# Altium PCB WS485H-V2.PcbDoc (part 1 of 2)
Units mm, origin at the board's own origin, x right, y up, seen from the top; angles counter-clockwise.
Board outline 80.13 x 50.13 mm, 2 copper layers (TopLayer, BottomLayer); 99 components, 75 nets, 330 pads, 447 vias.
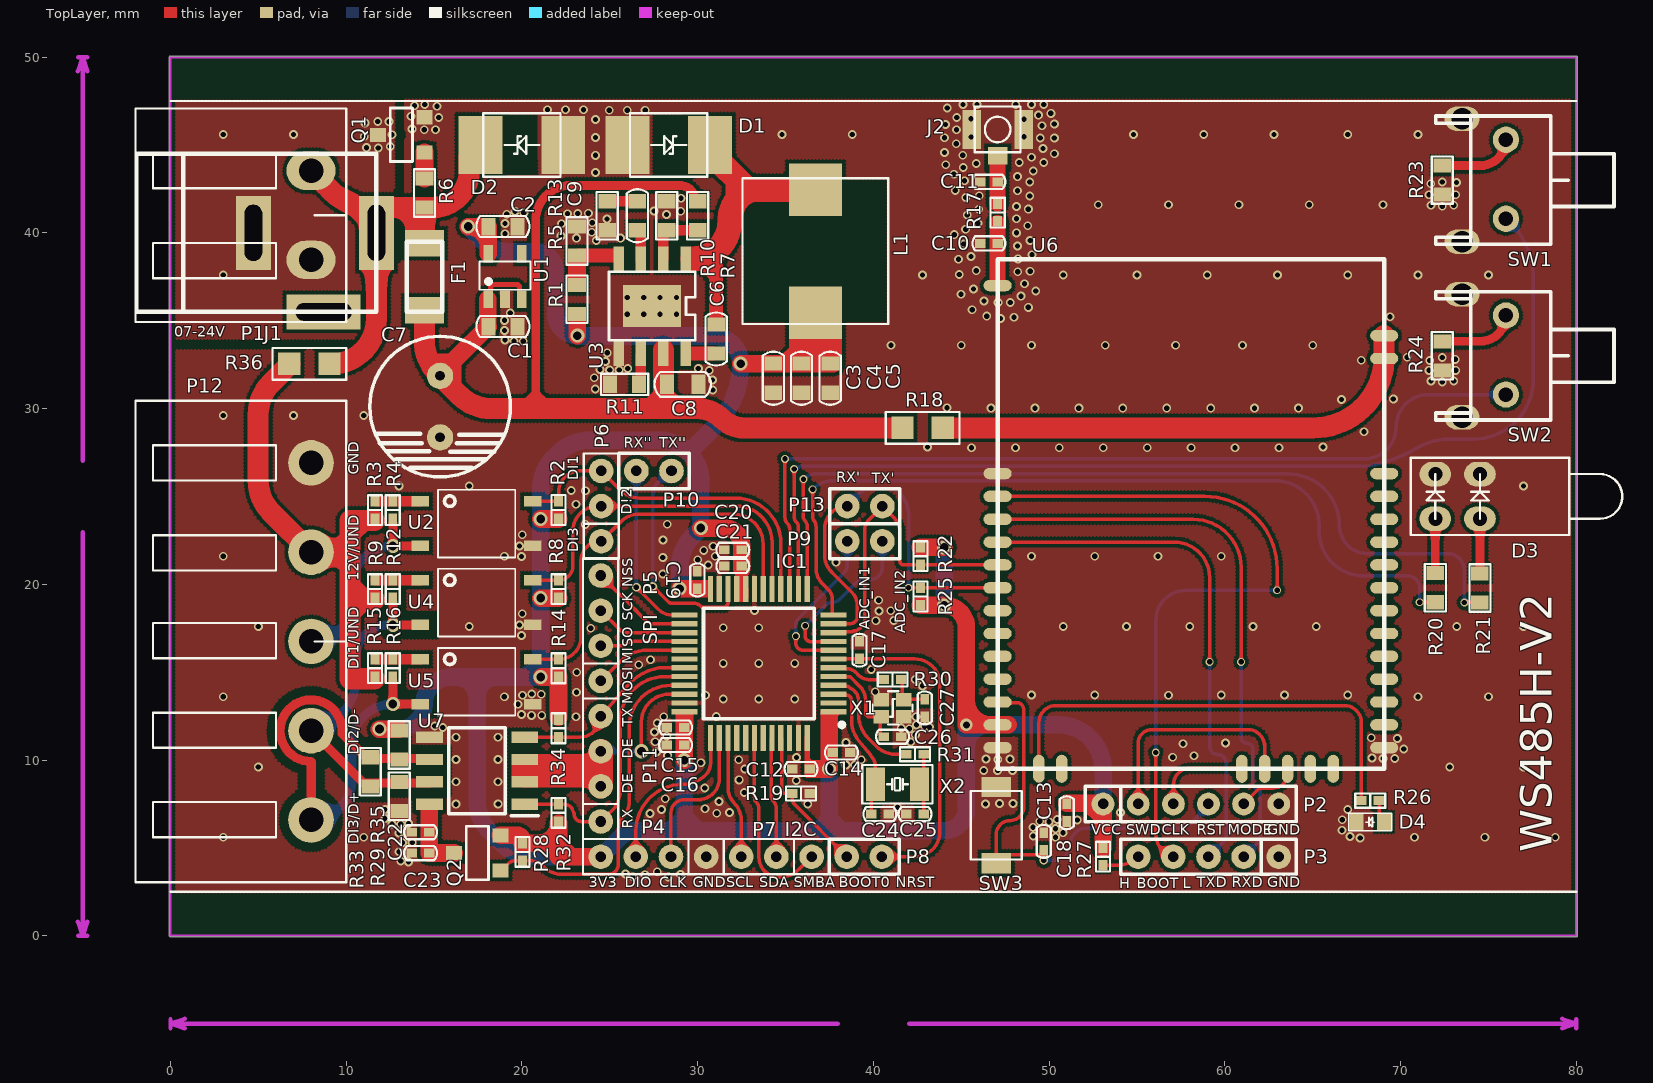
[diagram p0: TopLayer view]
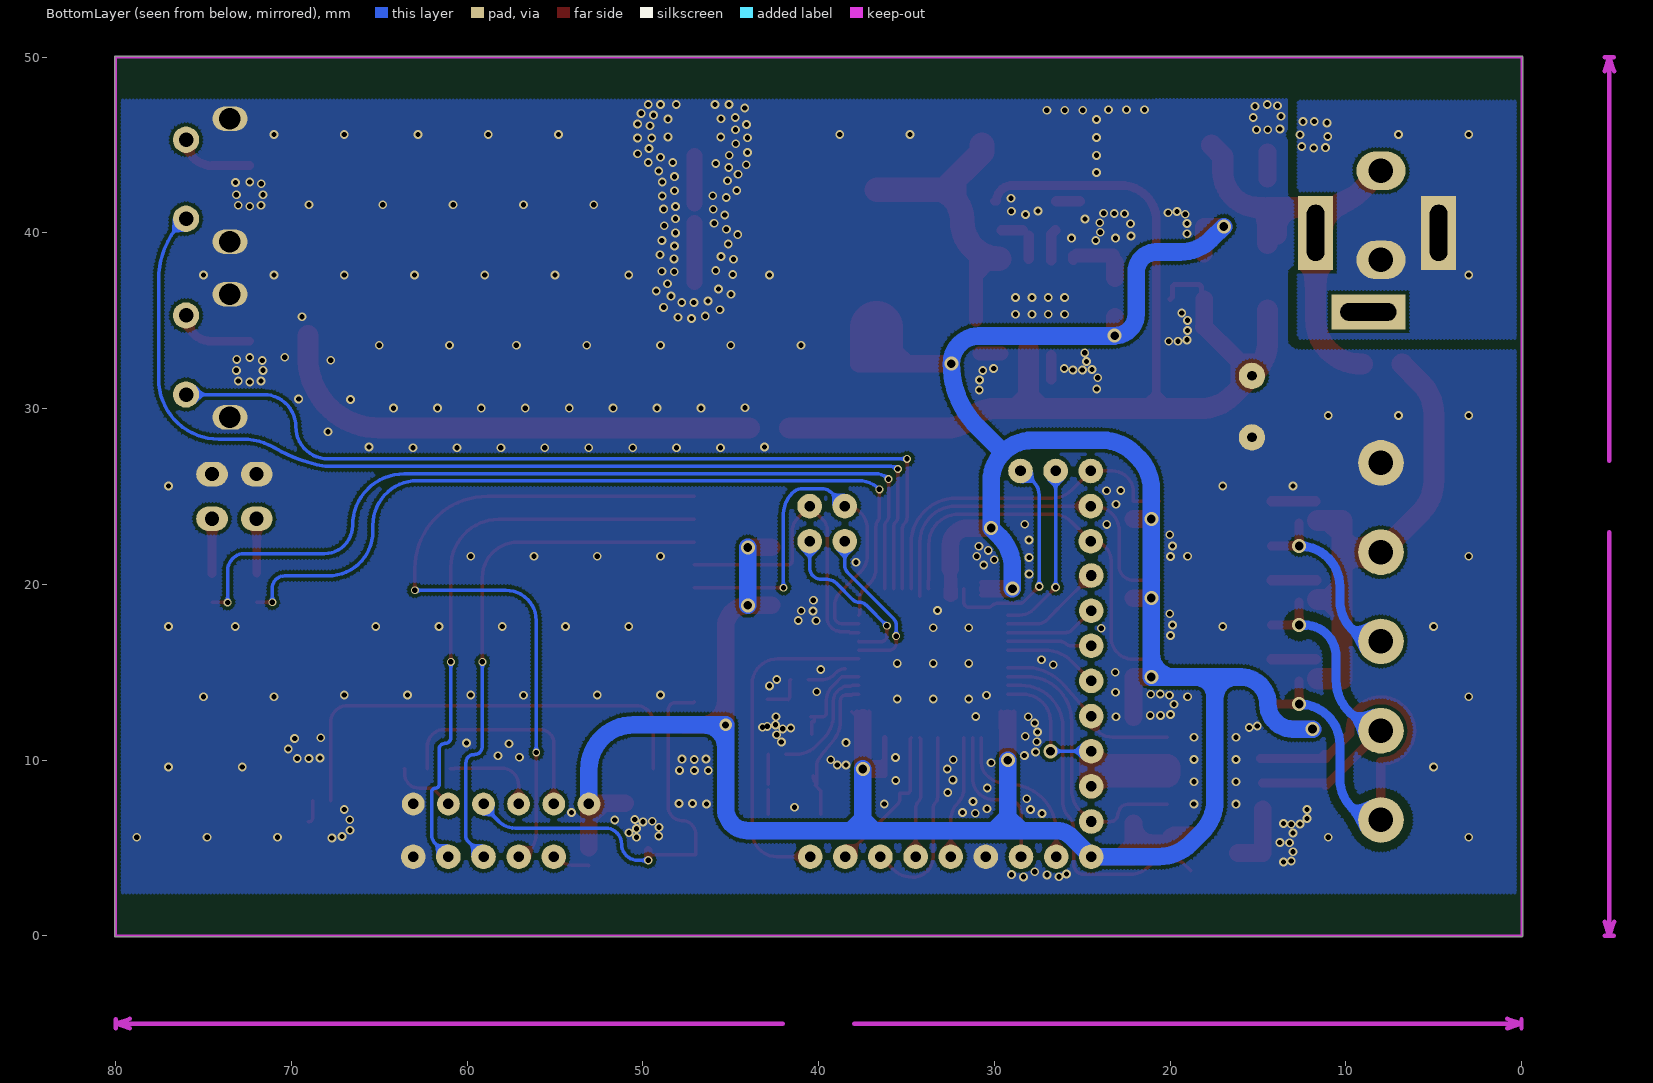
[diagram p1: BottomLayer view, seen from below]

## Layer stack, top to bottom
TopSolder: solder mask 0.0102, Solder Resist, Dk 3.5
TopLayer: signal copper 0.0356
Dielectric1: core 0.32, FR-4, Dk 4.8
BottomLayer: signal copper 0.0356
BottomSolder: solder mask 0.0102, Solder Resist, Dk 3.5

## Board outline
0,-0.064 cw(c0,0) -0.064,0 -0.064,50 cw(c0,50) 0,50.064 80,50.064 cw(c80,50) 80.064,50 80.064,0 cw(c80,0) 80,-0.064

## Design rules (kind name [scope] priority, off if disabled: settings)
Clearance Clearance_3 [InNet('GND') vs InNet('PGND')] p1: gap=0.5 ignorepadtopadclearanceinfootprint=FALSE except(0.2: Arc-Text Arc-Hole Track-Text Track-Hole SMDPad-Text SMDPad-Hole THPad-Text THPad-Hole Via-Text Via-Hole Fill-Text Fill-Hole Poly-Text Poly-Hole Region-Text Region-Hole Text-Text Text-Hole)
Clearance Clearance_2 [(InNet('D+')) vs (InNet('GND'))] p2: gap=0.5 ignorepadtopadclearanceinfootprint=FALSE except(0: Arc-Hole Track-Hole SMDPad-Hole THPad-Hole Via-Hole Fill-Hole Poly-Hole Region-Hole Text-Hole)
Clearance Clearance_1 [(InNet('D-')) vs (InNet('GND'))] p3: gap=0.5 ignorepadtopadclearanceinfootprint=FALSE except(0: Arc-Hole Track-Hole SMDPad-Hole THPad-Hole Via-Hole Fill-Hole Poly-Hole Region-Hole Text-Hole)
Clearance [All] p4: gap=0.2 ignorepadtopadclearanceinfootprint=FALSE except(0: Arc-Hole Track-Hole SMDPad-Hole THPad-Hole Via-Hole Fill-Hole Poly-Hole Region-Hole Text-Hole)
ComponentClearance [All] p1 off: gap=0.254 collisioncheckmode=3 verticalgap=0.254 showdistances=FALSE
DiffPairsRouting [(InNet('D+') AND InNet('D-'))] p1: maxlimit=0.152 minlimit=0.152 mostfreqgap=0.152 toplayer_minwidth=0.381 toplayer_maxwidth=0.381 toplayer_prefwidth=0.381 bottomlayer_minwidth=0.381 bottomlayer_maxwidth=0.381 bottomlayer_prefwidth=0.381 maxuncoupledlength=12.7
FabricationTestPointUsage TestPointUsage [All] p1: valid=0 allowmultiple=FALSE
FabricationTestpoint Testpoint [(IsPad And (OnTopLayer Or OnBottomLayer))] p1: side=3 testpointundercomponent=TRUE minsize=1.016 maxsize=2.54 preferedsize=1.524 minholesize=0.508 maxholesize=1.016 preferedholesize=0.813 testpointgrid=0.025 allowsidetop=TRUE allowsidebottom=TRUE usegrid=TRUE gridtolerance=0
HoleSize [All] p1: absolutevalues=TRUE maxlimit=5.5 minlimit=0.025 maxpercent=80.000 minpercent=20.000
HoleToHoleClearance [All] p1 off: gap=0.254 allowstackedmicrovias=TRUE
MinimumSolderMaskSliver [All] p1 off: minsoldermaskwidth=0.254
PolygonConnect [All] p1: connectstyle=Direct reliefconductorwidth=0.6 reliefentries=4 polygonreliefangle="90 Angle" airgapwidth=0.254
RoutingVias [All] p1: holewidth=0.4 width=0.7 viastyle="Through Hole" minholewidth=0.3 minwidth=0.5 maxholewidth=0.8 maxwidth=0.8
SilkToSilkClearance [All] p1 off: silktosilkclearance=0.254
SilkToSolderMaskClearance SilkscreenOverComponentPads [IsPad] p1 off: minsilkscreentomaskgap=0.254 clearancetoexposedcopper=TRUE
SolderMaskExpansion [All] p1: expansion=0.102 istentingtop=FALSE
Width Width_1 [(InNet('D+') AND InNet('D-'))] p1: maxlimit=0.261 minlimit=0.261 preferedwidth=0.261
Width [All] p2: maxlimit=5 minlimit=0.2 preferedwidth=0.8
21 further rules are at their usual default settings.

## Classes and differential pairs
component class WS485H-V2-BlockDiagram: *1 *2 *3 *4 *5 *6 *7 *8 *9 *10 *11 *12

## Components (designator, comment, footprint, x,y, rotation, side; value= is the part's Value field where it differs from the comment)
C1 "1uF" 0603C 18.915,34.667 r180 top
C2 "1uF" 0603C 18.915,40.358 r180 top
C3 "22uF/10V" 0603C 34.31,31.728 r90 top
C4 "1uF" 0603C 35.91,31.728 r90 top
C5 "0.1uF" 0603C 37.54,31.728 r90 top
C6 "0.1uF" 0603C 31.053,33.959 r90 top
C7 "100uF/25V" "DIP CAP-8*3.5" 15.34,31.86 r270 top
C8 "10uF/25V" 0805C 29.15,31.378 r180 top
C9 "150pF" 0603C 26.569,40.973 r270 top
C10 "0.1uF/NC" 0402C 46.57,39.402 r0 top
C11 "0.1uF/NC" 0402C 46.57,42.902 r0 top
C12 "0.1uF" 0402C 35.882,9.49 r0 top
C13 "0.1uF" 0402C 51.005,7 r90 top
C14 "0.1uF" 0402C 38.181,10.43 r180 top
C15 "0.1uF" 0402C 28.744,11.85 r180 top
C16 "4.7uf" 0402C 28.744,10.85 r180 top
C17 "0.1uF" 0402C 39.212,16.25 r90 top
C18 "0.1uF" 0402C 49.695,5.369 r90 top
C19 "0.1uF" 0402C 29.982,20.248 r270 top
C20 "1uF" 0402C 32,21.96 r180 top
C21 "10nf" 0402C 32,21.04 r180 top
C22 "0.1uF" 0402C 14.232,5.89 r0 top
C23 "0.1uF" 0402C 14.232,4.7 r0 top
C24 "10pF" 0402C 40.37,6.92 r0 top
C25 "10pF" 0402C 42.37,6.92 r180 top
C26 "8.2pF" 0402C 41.092,11.326 r0 top
C27 "8.2pF" 0402C 42.92,12.965 r270 top
D1 "SS34" SMBJ40CA(TVS) 28.35,45.001 r0 top
D2 "SMBJ24A 600W" SMBJ40CA(TVS) 20,45 r180 top
D3 "LED-TWO" LEDX2HOLD 73.25,25 r270 top
D4 "Green_LED" LED0603--0.4mm 68.275,6.474 r180 top
F1 "FUSE 1206 24V-1A" 1206-FUSE 14.455,37.5 r0 top
IC1 "STM32G431C8T6" QFP50P900X900X160-48N 33.482,15.5 r180 top
J1 "DC JACK-2.5T" "DC JACK-2.5T-NEW" 4.713,40 r270 top
J2 "I-PEX-CON" I-PEX-CON 47.07,44.384 r270 top
L1 "15uH" L8.3x8.3 36.7,38.957 r270 top
P1 "CON2-5.08mm" OQ5.08-90D-2P 8,41 r270 top
P2 "6PIN-200" 6PIN-200 53.07,7.5 r0 top locked
P3 "5Pin-200" 5pin-200 63.07,4.5 r180 top
P4 "4PIN-200" 4PIN-200 30.482,4.5 r180 top value=MicroUSB
P5 "4PIN-200" 4PIN-200 24.482,14.5 r90 top value=MicroUSB
P6 "PIN3" 3PIN-200 24.512,22.45 r90 top
P7 "PIN3" 3PIN-200 36.482,4.5 r180 top
P8 "2PIN-200/NC" 2PIN-200 38.482,4.5 r0 top
P9 "2PIN-200" 2PIN-200 38.512,22.45 r0 top
P10 "2PIN-200" 2PIN-200 26.512,26.45 r0 top
P11 "4PIN-200" 4PIN-200 24.482,6.5 r90 top value=MicroUSB
P12 "HD-515R8 5.08 pitch工業接線端子" OQ5.08-90D-5P 8,16.75 r270 top
P13 "2PIN-200" 2PIN-200 40.512,24.45 r180 top
Q1 "Si2306DS" SOT-23 13.134,45.58 r90 top value=2SK3664
Q2 "SM2403PSANC-TRG" SOT-23 17.46,4.71 r90 top
R1 "120K 1%" 0603 23.134,36.215 r270 top
R2 "10K" 0402 22.082,24.225 r270 top
R3 "1K" 0402 11.635,24.222 r90 top
R4 "10K" 0402 12.651,24.222 r90 top
R5 "40.2K 1%" 0603 23.134,39.541 r270 top
R6 "10K" 0603 14.455,42.265 r270 top value=1K
R7 "100K" 0603 30,40.973 r90 top
R8 "10K" 0402 22.082,19.725 r270 top
R9 "1K" 0402 11.635,19.725 r90 top
R10 "24.9K" 0603 28.239,40.973 r270 top
R11 "100K" 0603 25.845,31.378 r0 top
R12 "10K" 0402 12.651,19.725 r90 top
R13 "100K" 0603 24.85,40.973 r90 top
R14 "10K" 0402 22.082,15.225 r270 top
R15 "1K" 0402 11.635,15.226 r90 top
R16 "10K" 0402 12.651,15.226 r90 top
R17 "0R" 0402 47.07,41.152 r90 top
R18 "0R" 0805 42.8,28.9 r0 top value=0R/NC
R19 "10K" 0402 35.882,8.1 r180 top
R20 "220R" 0603 71.98,19.805 r270 top
R21 "220R" 0603 74.52,19.79 r270 top
R22 "10K" 0402 42.683,21.602 r90 top
R23 "220R" 0603 72.375,43 r270 top
R24 "220R" 0603 72.375,33 r270 top
R25 "10K" 0402 42.683,19.302 r270 top
R26 "220R" 0402 68.275,7.689 r180 top
R27 "1K" 0402 53.07,4.5 r270 top
R28 "100K" 0402 20.03,4.77 r90 top
R29 "3.3K" 0603 13.02,7.935 r90 top
R30 "390R" 0402 41.092,14.579 r0 top
R31 "0R" 0402 42.37,10.324 r0 top
R32 "10K" 0402 22.082,6.995 r270 top
R33 "120R/NC" 0603 11.366,9.33 r90 top
R34 "10K" 0402 22.082,11.805 r90 top
R35 "3.3K" 0603 13.02,10.856 r90 top
R36 "0R" 0805 7.907,32.542 r180 top value=0R/NC
SW1 "DTSM63N" SW-AT-1102VT1-new 74.75,43 r90 top
SW2 "DTSM63N" SW-AT-1102VT1-new 74.75,33 r90 top
SW3 "Push  Button" Button_2pin-3*4*2MM 46.995,6.294 r270 top value=Switch-SMD-6x6mm
U1 "XC6223T331MR-G" SOT-23-5-0.95MM 19.04,37.567 r0 top
U2 "IS181" IS181-SMD 17.416,23.455 r0 top
U3 "MP1584EN-LF-Z" SOIC8E_MP1584EN 27.404,35.834 r180 top
U4 "IS181" IS181-SMD 17.416,18.955 r0 top
U5 "IS181" IS181-SMD 17.416,14.455 r0 top
U6 "WS101A" WS101A 58.07,24.002 r0 top locked
U7 "MAX3485" SOIC127P600X175-8N 17.445,9.395 r180 top
X1 "16MHz / 8pF" XTAL-SMD-20X16 41.132,12.965 r0 top
X2 "32.768KHz / 12pF" XTAL-SMD-32*15 41.37,8.62 r0 top

## Footprints (in the part's own frame and the unit in brackets; to place one, negate y for a bottom-side part, rotate by r counter-clockwise, add the part's x,y. Pads: shape width x height; smd on the part's side, far side on the other; paste and mask are expansions set on the pad)
2PIN-200 [mm] "Connector; Header; 2 Position"
  round 1.4 hole 0.6: 1(0,0) 2(2,0)
  silkscreen extent -1,-1 3,1
3PIN-200 [mm]
  round 1.4 hole 0.6: 1(0,0) 2(2,0) 3(4,0)
  silkscreen extent -1,-1 5,1
4PIN-200 [mm]
  round 1.4 hole 0.6: 1(0,0) 2(2,0) 3(4,0) 4(6,0)
  silkscreen extent -1,-1 7,1
5pin-200 [mm]
  round 1.4 hole 0.6: 1(0,0) 2(2,0) 3(4,0) 4(6,0) 5(8,0)
  silkscreen extent -1,-1 9,1
6PIN-200 [mm]
  round 1.3 hole 0.6: 1(0,0) 2(2,0) 3(4,0) 4(6,0) 5(8,0) 6(10,0)
  silkscreen extent -1,-1 11,1
0402 [mm]
  rect 0.6x0.5 smd: 1(-0.5,0) 2(0.5,0)
  silkscreen extent -0.85,-0.4 0.85,0.4
0402C [mm]
  rect 0.6x0.5 smd: 1(-0.5,0) 2(0.5,0)
  silkscreen extent -0.94,-0.4 0.94,0.4
0603 [mm]
  rect 0.8x1 smd: 1(-0.826,0) 2(0.826,0)
  silkscreen extent -1.35,-0.6 1.35,0.6
0603C [mm]
  rect 0.8x1 smd: 1(-0.826,0) 2(0.826,0)
  silkscreen extent -1.51,-0.6 1.51,0.6
0805 [mil]
  rect 50x50 smd: 1(-45,0) 2(45,0)
  silkscreen extent -82,-35 83,35
0805C [mm] "0805C"
  rect 0.8x1.1 smd: 1(-0.9,0) 2(0.9,0)
  silkscreen extent -1.61,-0.7 1.61,0.7
1206-FUSE [mm] "1206-FUSE"
  rect 2.2x1.5 smd: 1(0,1.905) 2(0,-1.905)
  silkscreen extent -1,-2 1,2
Button_2pin-3*4*2MM [mm] "Button_2pin-3*4*2MM"
  rect 1.15x1.7 smd: 1(2.175,0) 2(-2.175,0)
  silkscreen extent -1.95,-1.45 1.95,1.45
"DC JACK-2.5T-NEW" [mm] "DC JACK-2.5T-NEW"
  rect 4.2x2 hole 1 slot 3.2 at 0 deg: 1(0,7) 2(0,0)
  rect 2x4.2 hole 1 slot 3.2 at 90 deg: 3(4.498,4.001)
  silkscreen extent -4.5,-6.65 4.5,7
"DIP CAP-8*3.5" [mm]
  round 1.5 hole 0.55: 1(0,0) 2(3.5,0)
  silkscreen extent -2.25,-4 5.75,4
I-PEX-CON [mm]
  rect 1x1.1 smd: 1(0,0)
  rect 2.2x1.05 smd: 2(-1.5,1.475) 2(-1.5,-1.475)
  silkscreen extent -2.8,-1.3 -0.2,1.3
IS181-SMD [mm] "IS181-SMD"
  rect 1x0.6 smd: 1(-3.2,1.27) 2(-3.2,-1.27) 3(3.2,-1.27) 4(3.2,1.27)
  silkscreen extent -2.2,-1.93 2.2,1.93
L8.3x8.3 [mm]
  rect 3x3 smd: 1(-3.5,0) 2(3.5,0)
  silkscreen extent -4.15,-4.15 4.15,4.15
LED0603--0.4mm [mm] "LED0603--0.4mm"
  rect 0.8x0.9 smd: 1(-0.775,0) 2(0.775,0)
  silkscreen extent -1.23,-0.5 1.23,0.5
LEDX2HOLD [mm]
  oval 1.4x1.8 hole 0.8: 1(1.27,1.27) 2(-1.27,1.27) 3(1.27,-1.27) 4(-1.27,-1.27)
  silkscreen extent -2.2,-2.67 2.2,9.37
OQ5.08-90D-2P [mm]
  oval 2.2x2.8 hole 1.4: 1(-2.54,0) 2(2.54,0)
  silkscreen extent -6.08,-10 6.08,2
OQ5.08-90D-5P [mm]
  round 2.6 hole 1.4: 1(-10.16,0) 2(-5.08,0) 3(0,0) 4(5.08,0) 5(10.16,0)
  silkscreen extent -13.7,-10 13.7,2
QFP50P900X900X160-48N [mm]
  rect 1.475x0.3 smd: 1(-4.238,2.75) 2(-4.238,2.25) 3(-4.238,1.75) 4(-4.238,1.25) 5(-4.238,0.75) 6(-4.238,0.25) 7(-4.238,-0.25) 8(-4.238,-0.75) 9(-4.238,-1.25) 10(-4.238,-1.75) 11(-4.238,-2.25) 12(-4.238,-2.75) 25(4.238,-2.75) 26(4.238,-2.25) 27(4.238,-1.75) 28(4.238,-1.25) 29(4.238,-0.75) 30(4.238,-0.25) 31(4.238,0.25) 32(4.238,0.75) 33(4.238,1.25) 34(4.238,1.75) 35(4.238,2.25) 36(4.238,2.75)
  rect 0.3x1.475 smd: 13(-2.75,-4.238) 14(-2.25,-4.238) 15(-1.75,-4.238) 16(-1.25,-4.238) 17(-0.75,-4.238) 18(-0.25,-4.238) 19(0.25,-4.238) 20(0.75,-4.238) 21(1.25,-4.238) 22(1.75,-4.238) 23(2.25,-4.238) 24(2.75,-4.238) 37(2.75,4.238) 38(2.25,4.238) 39(1.75,4.238) 40(1.25,4.238) 41(0.75,4.238) 42(0.25,4.238) 43(-0.25,4.238) 44(-0.75,4.238) 45(-1.25,4.238) 46(-1.75,4.238) 47(-2.25,4.238) 48(-2.75,4.238)
  silkscreen extent -4.85,-3.15 3.15,3.62, body extent -4.5,-4.5 4.5,4.5, height 1.6
SMBJ40CA(TVS) [mm] "SMBJ40CA(TVS)"
  rect 2.5x3.3 smd: 1(-2.35,0) 2(2.35,0)
  silkscreen extent -2.2,-1.81 2.2,1.81
SOIC8E_MP1584EN [mm] "SOIC8E_MP1584EN"
  rect 3.3x2.41 smd: 0(0,0)
  rect 0.6x1.4 smd: 1(-1.905,-2.7) 2(-0.635,-2.7) 3(0.635,-2.7) 4(1.905,-2.7) 5(1.905,2.7) 6(0.635,2.7) 7(-0.635,2.7) 8(-1.905,2.7)
  silkscreen extent -2.45,-1.95 2.45,1.95
SOIC127P600X175-8N [mm]
  rect 1.525x0.65 smd: 1(-2.712,1.905) 2(-2.712,0.635) 3(-2.712,-0.635) 4(-2.712,-1.905) 5(2.712,-1.905) 6(2.712,-0.635) 7(2.712,0.635) 8(2.712,1.905)
  silkscreen extent -3.47,-2.45 1.6,2.58, body extent -3,-2.45 3,2.45, height 1.75
SOT-23 [mm] "SOT-23"
  rect 0.8x0.9 smd: 1(-1,-1.321) 2(1,-1.321) 3(0,1.321)
  silkscreen extent -1.52,-0.64 1.52,0.64
SOT-23-5-0.95MM [mm] "SOT-23-5-0.95MM"
  rect 0.55x1 smd: 1(-0.95,-1.35) 2(0,-1.35) 3(0.95,-1.35) 4(0.95,1.25) 5(-0.95,1.25)
  silkscreen extent -1.45,-0.8 1.45,0.8
SW-AT-1102VT1-new [mm] "SW-AT-1102VT1-new"
  oval 1.4x2 hole 1.227: 0(-3.5,1.25) 0(3.5,1.25)
  round 1.5 hole 0.827: 1(-2.2,-1.25) 2(2.3,-1.25)
  silkscreen extent -3.65,-7.4 3.7,2.75
WS101A [mm] "Vertexcom"
  oval 1.6x0.65 smd: 1(-11,13) 2(-11,2.3) 3(-11,1) 4(-11,-0.3) 5(-11,-1.6) 6(-11,-2.9) 7(-11,-4.2) 8(-11,-5.5) 9(-11,-6.8) 10(-11,-8.1) 11(-11,-9.4) 12(-11,-10.7) 13(-11,-12) 14(-11,-13.3) 22(11,-13.3) 23(11,-12) 24(11,-10.7) 25(11,-9.4) 26(11,-8.1) 27(11,-6.8) 28(11,-5.5) 29(11,-4.2) 30(11,-2.9) 31(11,-1.6) 32(11,-0.3) 33(11,1) 34(11,2.3) 35(11,8.85) 36(11,10.15)
  oval 0.65x1.6 smd: 15(-8.65,-14.5) 16(-7.35,-14.5) 17(2.9,-14.5) 18(4.2,-14.5) 19(5.5,-14.5) 20(6.8,-14.5) 21(8.1,-14.5)
  silkscreen extent -11,-14.5 11,14.5
XTAL-SMD-20X16 [mm] "XTAL-SMD-20X16"
  rect 0.875x0.775 smd: 1(-0.675,-0.5) 2(0.6,0.475) 3(0.6,-0.5) 4(-0.675,0.475)
  silkscreen extent -1.18,-0.95 1.1,0.95
XTAL-SMD-32*15 [mm]
  rect 1.1x1.9 smd: 1(-1.25,0) 2(1.25,0)
  silkscreen extent -2,-1.1 2,1.1

## Part data
C1 C2 C3 C4 C5 C6 C8 C9 C12 C14 C15 C16 C17 C18 C19 C20 C21 C23: library part "Cap Semi", "Capacitor (Semiconductor SIM Model)", LatestRevisionDate=17-Jul-2002, LatestRevisionNote="Re-released for DXP Platform.", PackageReference=C1206, Published=8-Jun-2000, Publisher="Altium Limited"
C7: library part "C POL", Package Height=1.8mm, Part Number=53300833000, Rating=10V, Tolerance=20%, Bottom=20, PCB_dir=0.000000, PCB_loc=Top, PCB_x=19.129500, PCB_y=12.184000, Right=20
C10 C11 C13 C22 C24 C25 C26 C27: library part CAP, "Capacitor"
D1: library part "DIODE SCHOTTKY", "Schottky Diode"
D2: library part PESD5V0L1BA, "Zener Diode"
D4: library part LED, Manufacturer=Citizen, Manufacturer's Part Number=CL-170G-CD-T, Old Part Number=4317000, Package Height=1.1mm, Part Number=41100017000, VALUE_ALLEGRO=Red_LED, Bottom=20, Cost=0.48, FPLIST=mot/0805LED,dig/0805led, PCB_dir=90.000000, PCB_x=46.095000, PCB_y=6.420000, Right=40
F1: library part FUSE2, "Fuse"
IC1: "Integrated Circuit", Manufacturer_Name=STMicroelectronics, Datasheet Link=https://www.arrow.com/en/products/stm32g431c8t6/stmicroelectronics, Height=1.6mm, Manufacturer_Part_Number=STM32G431C8T6
J1: library part DCJACK-1, "Low Voltage Power Supply Connector"
J2 P1 P8 P9 P10 P13: library part CON2, "Connector"
L1: library part Inductor, "Inductor", Code_IEC=1005, Code_JEITA=0402, LatestRevisionDate=17-Jul-2002, LatestRevisionNote="Re-released for DXP Platform.", PackageReference=0402-A, Published=8-Jun-2000, Publisher="Altium Limited"
P2: "Pin Header", LatestRevisionDate=17-Jul-2002, LatestRevisionNote="Re-released for DXP Platform.", Publisher="Altium Limited"
P3: library part PIN5
P4 P5 P11: library part CON4, "Connector"
P6 P7: "Connector"
P12: library part "Header 5", "Header, 5-Pin", LatestRevisionDate=17-Jul-2002, LatestRevisionNote="Re-released for DXP Platform.", Publisher="Altium Limited"
Q1: library part "MOSFET N-1", "N-Channel Mosfet"
Q2: library part "MOSFET P-1", "P MOSFET"
R1 R2 R3 R4 R5 R6 R7 R8 R9 R10 R11 R12 R13 R14 R15 R16 R17 R18 R19 R20 R21 R22 R23 R24 R25 R26 R27 R28 R29 R30 R31 R32 R33 R34 R35 R36: library part "Res Semi", "Semiconductor Resistor"
  R1 R2 R3 R4 R5 R6 R7 R8 R9 R10 R11 R12 R13 R14 R15 R16 R17 R18 R19 R20 R21 R22 R23 R24 R25 R26 R27 R29 R30 R31 R32 R33 R34 R35 R36: LatestRevisionDate=17-Jul-2002, LatestRevisionNote="Re-released for DXP Platform.", PackageReference=AXIAL-0.5, Published=8-Jun-2000, Publisher="Altium Limited"
SW1 SW2: library part SW1
SW3: library part SW1, "Push Button"
U2 U4 U5: library part Optoisolator1, "4-Pin Phototransistor Optocoupler", DatasheetDocument=Nov-2003, LatestRevisionDate=04-Mar-2005, LatestRevisionNote="Sch pins 3 & 4 Swapped.", PackageReference=DIP-4, Published=24-Mar-1999, Publisher="Altium Limited"
U7: library part ISL3178EIBZ-T, "Integrated Circuit", Manufacturer_Name="Renesas Electronics", Datasheet Link=https://www.renesas.com/en-us/www/doc/datasheet/isl3170e-71e-72e-73e-74e-75e-76e-77e-78e.pdf, Height=1.75mm, Manufacturer_Part_Number=ISL3178EIBZ-T
X1: library part XTAL-SMD-25*32
X2: library part XTAL, Text Field1=20, Text Field2=20

## Via types
v1: diameter 0.5, hole 0.3, TopLayer to BottomLayer, tented both sides, 416 vias
v2: diameter 0.8, hole 0.5, TopLayer to BottomLayer, tented both sides, 17 vias
v3: diameter 0.45, hole 0.3, TopLayer to BottomLayer, tented both sides, 13 vias
v4: diameter 0.7, hole 0.4, TopLayer to BottomLayer, tented both sides, 1 vias

## Nets (pads, with @x,y where several pads share a name; then routed paths per layer and width w, separated by ;. In a path a pad name is that pad's centre, name@x,y a point inside that pad or via, vN(x,y) a via of type N, cw(c..) or ccw(c..) an arc to the next point about the centre after c; other vN are vias at no path point)
3V3: C2.2 C3.2 C4.2 C5.2 C12.2 C13.2 C14.2 C15.1 C16.1 C19.2 C20.1 C21.1 IC1.1 IC1.20 IC1.21 IC1.24 IC1.36 IC1.48 L1.2 P2.1 P4.4 Q2.2 R1.2 R2.2 R8.2 R14.2 R22.2 R25.2 R27.1 R28.2 R32.2 R34.2 R35.2 U1.5 U6.13 | length 219.2
  TopLayer w0.2: 36.239,10.131 36.52,9.85 36.521,9.849 ; 37.839,12.459 IC1.1@38.121,12.741
  TopLayer w0.3: 28.894,11.84 IC1.36@28.894,12.738 ; 29.599,11.84 IC1.36@29.599,12.738 ; 30.372,19.392 IC1.24@30.732,19.392 ; 30.372,20.098 IC1.24@30.732,20.098 ; IC1.21@32.232,19.261 IC1.21@32.232,19.738 ; IC1.20@32.732,19.261 IC1.20@32.732,19.738 ; 36.23,9.85 36.232,9.85 ; IC1.48@36.232,11.262 36.232,9.85 ; C12.2@36.6,9.5 36.382,9.492 36.332,9.49 C12.2@36.232,9.59 ; 37.137,12.33 IC1.1@37.137,12.73 ; v2@37.361,9.85 36.52,9.85 36.232,9.85 ; v2@37.363,9.14 36.232,9.14 C12.2@36.232,9.59 ; 37.83,12.33 IC1.1@37.83,12.73 ; C12.2@36.232,9.59 36.232,9.85
  TopLayer w0.6: 22.231,5.338 22.933,4.636 ; 34.859,32.709 35.561,33.411 ; 45.56,12.73 46.02,12.27 ; 52.149,7.351 52.851,6.649
  TopLayer w0.75: 32.477,19.354 32.48,19.736 32.48,19.74 C21.1@32.489,21.04
  TopLayer w1: v2(11.89,11.758) R35.2@13.018,11.758 ; U1.5@18.09,38.817 U1.5@18.09,39.21 ; Q2.2@18.781,5.71 19.739,5.71 cw(c19.739,5.453) 19.996,5.453 19.996,5.304 ccw(c20.03,5.304) R28.2@20.03,5.27 21.352,5.27 cw(c21.352,4.54) 22.082,4.54 22.082,6.4 cw(c20.952,6.4) 20.952,5.27 ; v2(21.066,19.216) 22.081,19.216 R8.2@22.082,19.215 ; v2(21.066,23.715) R2.2@22.082,23.715 ; v2@21.117,14.723 22.08,14.723 22.082,14.721 R34.2@22.082,12.439 ; 22.082,4.5 P4.4@24.482,4.5 ; R1.2@23.134,35.23 23.15,35.214 v2(23.15,34.15) ; v2(28.973,19.752) 29.979,19.745 C19.2@29.982,19.748 ; v2(29.232,9.991) 29.244,10.003 C16.1@29.244,10.85 29.244,11.25 29.248,11.85 29.249,11.987 29.249,12 29.252,12.378 ; C19.2@29.982,19.745 30.372,19.742 ; v2(30.18,23.2) 31.51,23.2 cw(c31.51,22.21) 32.296,22.811 cw(c31.51,22.21) 32.5,22.212 cw(c31.51,22.21) 32.5,22.21 C20.1@32.5,21.96 ; v2(32.447,32.553) C3.2@34.31,32.553 C4.2@35.91,32.553 ; C21.1@32.5,20.87 C20.1@32.5,21.79 ; C4.2@35.7,32.95 L1.2@35.7,33.966 ; C4.2@36.07,32.554 37.7,32.554 37.7,33.57 ; C12.2@36.6,9.5 v2(37.482,9.49) 37.482,12.4 ; R25.2@42.683,18.802 v2(44.03,18.802) cw(c44.03,17.539) 45.293,17.539 45.293,13.377 ; R22.2@42.683,22.102 v2(44.03,22.102) ; U6.13@47.68,12.002 U6.13@47.07,12.002 U6.13@46.668,12.002 ; C13.2@51.005,7.544 53.07,7.544 P2.1@53.07,7.5 R27.1@53.07,5 ; U1.5@18.09,39.21 ccw(c16.942,39.21) v2(16.942,40.358) C2.2@18.09,40.358 U1.5@18.09,39.21 ; 45.293,13.377 ccw(c46.668,13.377) U6.13@46.668,12.002 ; 45.293,13.377 v4(45.293,12.002) U6.13@46.668,12.002
  TopLayer w3: 36.7,33.57 L1.2@36.7,34.627
  BottomLayer w0.6: 20.215,14.837 20.917,15.539 ; 28.419,6.214 29.121,6.916 ; 29.381,6.912 30.083,6.21 ; 36.671,6.094 37.374,6.796 ; 37.634,6.792 38.336,6.09
  BottomLayer w1: v2(11.89,11.758) 12.998,11.758 ccw(c12.998,13.19) 14.43,13.19 cw(c15.963,13.19) 15.963,14.723 ; 16.066,14.723 16.227,14.723 ; v2(16.942,40.358) 17.646,39.654 ccw(c19.442,41.45) 19.442,38.91 20.78,38.91 cw(c20.78,37.76) 21.93,37.76 21.93,35.37 ccw(c23.15,35.37) v2(23.15,34.15) 23.17,34.13 30.87,34.13 cw(c30.87,32.55) 31.988,33.667 cw(c30.866,32.553) 32.447,32.557 v2(32.447,32.553) cw(c27.363,32.553) 30.957,28.957 30.953,28.953 29.5,27.5 ; v2(28.973,19.752) 28.973,20.941 cw(c31.513,20.941) 29.02,21.427 cw(c31.513,20.941) 29.717,22.737 v2(30.18,23.2) 30.18,25.858 ccw(c27.858,25.858) 29.5,27.5 ; 29.226,6.094 v2@29.226,9.985 ; v2(37.482,9.49) 37.482,5.98 ; v2(44.03,18.802) v2(44.03,22.102) ; P2.1@53.07,7.5 53.07,9.462 ccw(c50.53,9.462) 50.53,12.002 46.552,12.002 ; 16.227,14.723 cw(c16.227,13.505) 17.445,13.505 ; 16.227,14.723 18.566,14.723 ; 17.445,13.505 17.445,13.602 cw(c18.566,13.602) 18.566,14.723 ; 17.445,13.505 17.445,7.697 ccw(c19.985,7.697) 18.189,5.901 18.846,5.244 ccw(c20.642,7.04) 20.642,4.5 P4.4@24.482,4.5 25.594,5.612 cw(c26.482,4.724) 26.482,5.98 36.671,5.98 37.482,5.98 ; 18.566,14.723 19.753,14.723 ; 19.753,14.723 ccw(c19.753,16.036) 21.066,16.036 ; 19.753,14.723 v2(21.066,14.723) 21.066,16.036 ; 21.066,16.036 v2(21.066,19.216) v2(21.066,23.715) 21.066,25.414 cw(c23.606,25.414) 21.81,27.21 22.056,27.456 cw(c23.852,25.66) 23.852,28.2 27.81,28.2 cw(c27.81,25.81) 29.5,27.5 ; 37.482,5.98 44.03,5.98 ccw(c44.03,7.243) 45.293,7.243 45.293,10.743 ; 45.293,10.743 cw(c46.552,10.743) 46.552,12.002 ; 45.293,10.743 v4(45.293,12.002) 46.552,12.002
ADC1_IN1: IC1.8 P9.1 | length 9.8
  TopLayer w0.2: v3(35.586,17.05) 35.586,16.64 ccw(c35.976,16.64) 35.976,16.25 IC1.8@37.72,16.25
  BottomLayer w0.2: v3(35.586,17.05) 35.586,17.664 cw(c36.146,17.664) 35.75,18.06 ; 35.75,18.06 38.309,20.619 ccw(c37.822,21.108) 38.512,21.108 P9.1@38.512,22.45 ccw(c38.512,22.198) 38.26,22.198 P9.1@38.26,22.13
ADC1_IN2: IC1.9 P9.2 | length 9.7
  TopLayer w0.2: v3(36.116,17.64) 36.116,17.056 ccw(c36.432,17.056) 36.432,16.74 37.71,16.74 IC1.9@37.72,16.75
  BottomLayer w0.2: v3(36.116,17.64) 37.305,18.829 cw(c37.67,18.463) 37.67,18.98 37.696,18.98 ccw(c37.696,19.484) 38.052,19.128 38.983,20.058 ; 38.983,20.058 cw(c39.511,19.529) 39.511,20.276 39.831,20.276 ccw(c39.831,20.958) 40.512,20.958 P9.2@40.512,22.45
BACKUP-BUTTOM: U6.20
BOOT: P3.4 U6.3 | length 41.7
  TopLayer w0.2: U6.3@47.07,25.002 58.862,25.002 cw(c58.862,20.883) 62.98,20.883 v3(62.98,19.66) ; v3(56.07,10.434) 56.07,5.792 ccw(c57.444,5.792) P3.4@57.444,4.419
  BottomLayer w0.2: v3(56.07,10.434) 56.07,17.937 cw(c57.793,17.937) 57.793,19.66 v3(62.98,19.66)
BOOT0: IC1.45 P8.1 R19.2 | length 8.6
  TopLayer w0.2: IC1.45@34.732,11.262 34.782,11.212 34.782,8.3 ccw(c34.982,8.3) 34.982,8.1 R19.2@35.382,8.1 35.382,7.778 ccw(c35.811,7.778) 35.508,7.474 ; P8.1@38.482,4.5 35.509,7.473 ; 35.508,7.474 35.509,7.473
D+: P12.5 R16.1 R33.2 R35.1 U5.2 U7.6 | length 30
  TopLayer w0.514: 7.98,9.913 cw(c8,11.67) 9.75,11.518 10.97,10.299 11.223,10.299 R33.2@11.366,10.156 ; P12.5@8.01,6.59 8.01,9.893 ; R33.2@10.955,10.314 R33.2@11.164,10.104 ; R33.2@11.134,10.097 U7.6@14.861,10.097 ; R16.1@12.651,14.5 v2(12.651,13.185) U5.2@14.216,13.185
  BottomLayer w0.514: P12.5@8,6.59 ccw(c8,8.93) 10.34,8.93 10.34,10.874 cw(c12.651,10.874) v2(12.651,13.185)
D-: P12.4 R12.1 R29.2 R33.1 U4.2 U7.7 | length 19.8
  TopLayer w0.514: P12.4@8.01,11.67 R33.1@11.14,8.54 ; R33.1@11.006,8.693 U7.7@14.733,8.693 ; R12.1@12.651,19 v2(12.651,17.685) U4.2@14.216,17.685
  BottomLayer w0.514: P12.4@8,11.67 8,11.99 ccw(c8,14.541) 10.551,14.541 10.551,15.881 cw(c12.355,15.881) 12.355,17.685 v2(12.651,17.685)
DI1: P12.3 R4.1 U2.2 | length 11
  TopLayer w0.514: R4.1@12.651,23.5 v2(12.651,22.185) U2.2@14.216,22.185
  BottomLayer w0.514: P12.3@8,16.75 ccw(c8,19.09) 10.34,19.09 10.34,19.874 cw(c12.651,19.874) v2(12.651,22.185)
"FUSE OUT": C1.2 C7.1 C8.2 F1.2 R7.2 R18.1 U1.1 U1.3 U3.7 | length 72.3
  TopLayer w0.3: U1.1@18.09,36.217 18.215,36.342 18.215,36.864 cw(c18.418,36.864) 18.418,37.067 19.662,37.067 cw(c19.662,36.864) 19.865,36.864 19.865,36.342 U1.3@19.99,36.217
  TopLayer w0.5: 14.448,32.88 14.626,32.88 16.273,32.88 16.36,32.88 ; 16.31,30.88 16.31,32.92 ; 20.353,30.416 20.707,30.77 ; 20.78,29.855 20.78,40.7 cw(c22.78,40.7) 20.826,41.126 cw(c22.78,40.7) 22.354,42.654 cw(c22.78,40.7) 22.78,42.7 29.099,42.7 ; 20.853,30.77 21.207,30.416 ; 21.4,29.9 21.4,30 ; 28.979,42.7 cw(c28.979,41.799) R7.2@29.88,41.801 ; R7.2@30,41.799 R7.2@30,41.801
  TopLayer w1: C7.1@15.297,31.903 16.273,32.88 C1.2@18.06,34.667 ; U1.1@18.06,36.217 C1.2@18.06,34.667 ; C1.2@18.09,34.667 C1.2@18.06,34.667
  TopLayer w1.2: F1.2@14.455,35.595 14.455,33.797 ccw(c16.995,33.797) 14.626,32.88 ccw(c16.995,33.797) 15.199,32.001 15.297,31.903 ccw(c15.34,31.903) C7.1@15.34,31.86 16.456,30.744 ccw(c18.252,32.54) 18.252,30 21.4,30 29.6,30 ; 27.347,30.009 28.049,30.711 ; U3.7@28.05,33.328 28.05,30.71 28.751,30.009 29.591,30.009 29.6,30 ; R18.1@41.657,28.9 32.646,28.9 cw(c32.646,30.7) 31.373,29.427 ccw(c29.99,28.045) 29.99,30 29.6,30